# Altium PCB IT_Asset_Tracking_Rack_Controller-H743.PcbDoc (part 1 of 4) (continued)
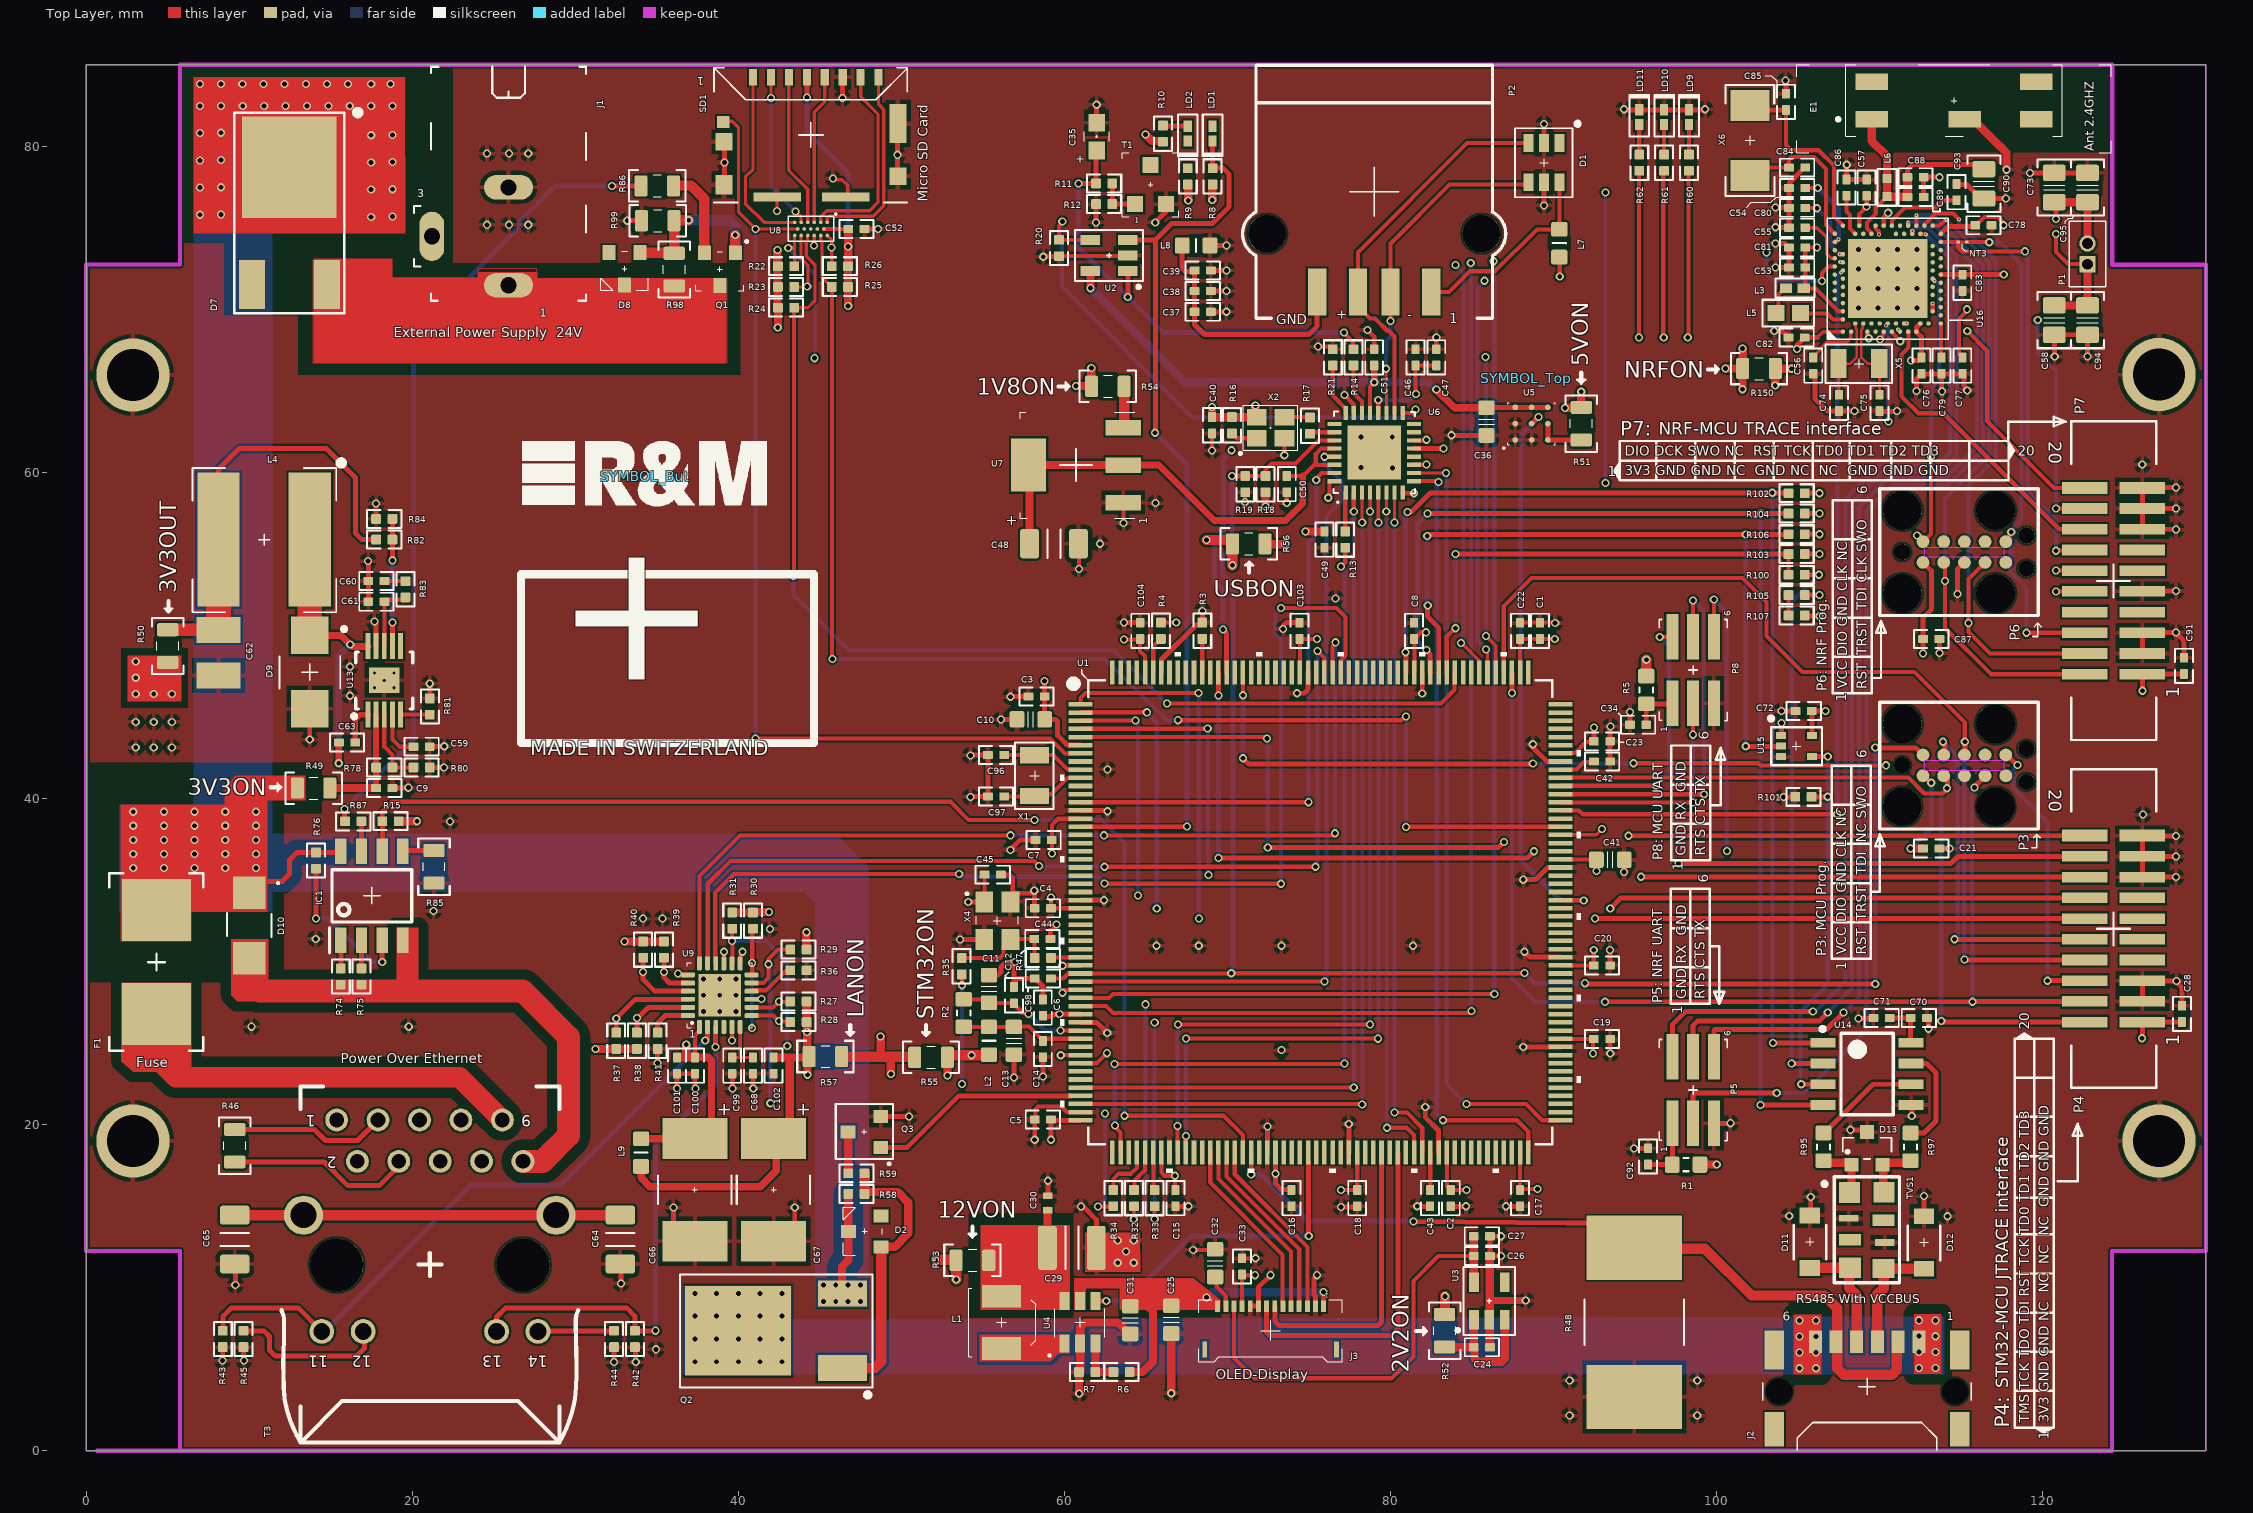
[diagram p0: Top Layer view]
## Components (designator, comment, footprint, x,y, rotation, side; value= is the part's Value field where it differs from the comment) (continued)
R38 "49R9" "Resistor 0402 EIA" 33.782,25.146 r90 top
R39 "49R9" "Resistor 0402 EIA" 35.433,30.734 r270 top
R40 "49R9" "Resistor 0402 EIA" 34.163,30.734 r270 top
R41 "12K1" "Resistor 0402 EIA" 35.052,25.146 r270 top
R42 "10K" "Resistor 0402 EIA" 33.655,6.858 r270 top
R43 "10K" "Resistor 0402 EIA" 8.382,6.858 r270 top
R44 "330R" "Resistor 0402 EIA" 32.378,6.858 r270 top
R45 "330R" "Resistor 0402 EIA" 9.652,6.858 r270 top
R46 "0R" "RESISTOR 0805 EIA" 9.117,18.707 r90 top
R47 "51R" "Resistor 0402 EIA" 58.674,30.226 r180 top
R48 "0R1" "RESISTOR 4527" 94.945,7.874 r270 top
R49 "DNP" "RESISTOR 0805 EIA" 13.954,40.64 r0 top
R50 "DNP" "RESISTOR 0805 EIA" 5.004,49.352 r90 top
R51 "DNP" "RESISTOR 0805 EIA" 91.694,62.992 r270 top
R52 "DNP" "RESISTOR 0805 EIA" 83.312,7.366 r270 top
R53 "DNP" "RESISTOR 0805 EIA" 54.356,11.684 r0 top
R54 "DNP" "RESISTOR 0805 EIA" 62.662,65.278 r0 top
R55 "DNP" "RESISTOR 0805 EIA" 51.816,24.13 r0 top
R56 "DNP" "RESISTOR 0805 EIA" 71.298,55.618 r0 top
R57 "DNP" "RESISTOR 0805 EIA" 45.339,24.181 r180 top
R58 "1M" "Resistor 0402 EIA" 47.244,15.748 r0 top
R59 "100K" "Resistor 0402 EIA" 47.244,17.018 r180 top
R60 "1.2KOhm" "Resistor 0402 EIA" 98.298,78.994 r270 top value=1.2K
R61 "1.2KOhm" "Resistor 0402 EIA" 96.774,78.994 r270 top value=1.2K
R62 "1.2KOhm" "Resistor 0402 EIA" 95.25,78.994 r270 top value=1.2K
R74 "95K3" "Resistor 0402 EIA" 15.621,29.083 r270 top
R75 "357R" "Resistor 0402 EIA" 16.891,29.083 r270 top
R76 "24K9" "Resistor 0402 EIA" 14.097,36.195 r270 top
R78 "105K" "Resistor 0402 EIA" 18.288,41.91 r0 top
R80 "7K15" "Resistor 0402 EIA" 20.574,41.91 r0 top
R81 "249K" "Resistor 0402 EIA" 21.082,45.644 r90 top
R82 "31.6K" "Resistor 0402 EIA" 18.288,55.88 r0 top
R83 "33.2K" "Resistor 0402 EIA" 19.583,52.832 r90 top
R84 "10K" "Resistor 0402 EIA" 18.288,57.15 r180 top
R85 "0R" "RESISTOR 0805 EIA" 21.336,35.814 r270 top
R86 "0R" "RESISTOR 0805 EIA" 35.027,77.572 r180 top
R87 "1K" "Resistor 0402 EIA" 16.383,38.602 r0 top
R95 "10R" "Resistor 0603 EIA" 106.553,18.644 r90 top
R97 "10R" "Resistor 0603 EIA" 111.887,18.644 r90 top
R98 "1M" "RESISTOR 0805 EIA" 36.068,72.441 r90 top
R99 "100K" "RESISTOR 0805 EIA" 35.052,75.438 r180 top
R100 "0R" "Resistor 0402 EIA" 104.902,53.721 r180 top
R101 "10K" "Resistor 0402 EIA" 105.316,40.107 r180 top
R102 "10K" "Resistor 0402 EIA" 104.902,58.725 r180 top
R103 "10K" "Resistor 0402 EIA" 104.902,54.991 r180 top
R104 "10K" "Resistor 0402 EIA" 104.902,57.48 r180 top
R105 "10K" "Resistor 0402 EIA" 104.902,52.476 r180 top
R106 "10K" "Resistor 0402 EIA" 104.902,56.21 r180 top
R107 "0R" "Resistor 0402 EIA" 104.902,51.232 r180 top
R150 "DNP" "RESISTOR 0805 EIA" 102.591,66.37 r0 top
SD1 "1051620001" SD-105162-001 44.45,80.696 r180 top
SYMBOL_But "Reichle & De-Massari Logo" SYMBOL_R&M 34.29,59.766 r0 top value=Overlay
SYMBOL_Top "Reichle & De-Massari Logo" SYMBOL_R&M 88.328,65.786 r180 top value=Overlay
T1 "DSC2501R0L" SOT-23/TO-236AA 65.278,77.656 r270 top
T3 "POE_7499211121A" POE_7499211121A 21.082,11.43 r180 top
TVS1 "TBU-CA065-200-WH" BOURNS_TBU_PL060_WH 107.502,16.499 r270 top value=TBU-PL060-200-WH
U1 "STM32H743BIT6" LQFP208_STM32H743BITX 75.692,33.02 r0 top
U2 "STMPS2151STR" SOT23-5L 62.738,73.304 r180 top
U3 "TPS7A0522PDBVT" SOT23-5L 86.055,9.195 r90 top
U4 "TLV61046ADBVT" SOT-23-6 60.96,7.874 r90 top
U5 "TPS81256SIPR" BGASIP0009A 88.646,62.992 r180 top
U6 "USB3320C-EZK-TR" QFN32_0R5_5X5 78.994,61.214 r90 top
U7 "LD1117S18TR" SOT-223 60.706,60.452 r180 top
U8 "EMI-Filter" WFBGA-17-Balls 44.45,74.93 r270 top
U9 "LAN8742A-CZ-TR" VQFN24-EPAD_4X4 38.862,27.94 r90 top
U13 "TPS54260DGQR" TPS54260_S-PDSO-G10 18.288,47.244 r90 top
U14 "RS-485 Transceiver" "TI_D (R-PDSO-G8)_8_R" 109.22,23.114 r0 top
U15 "IC BUF NON-INVERT" SOT353 103.942,43.87 r0 top
U16 "NRF52840-QIAA-R" AQFN50P700X700X85_HS-74N 110.49,71.882 r90 top
X1 "NX3215SA-32.768K-STD-MUA-9" NX3215SA 58.166,41.402 r270 top
X2 "NX2520SD-24MHZ-EXS00A-CS06352" NX2520SD-24MHZ-EX 72.644,62.738 r0 top
X4 "ECS-250-10-33B-CKM-TR / 25MHZ 10PF" ECS-33B 55.88,32.512 r270 top
X5 "NX3215SA-32.768K-STD-MUA-9" NX3215SA 108.712,66.675 r0 top
X6 "ABM3-32.000MHZ-D2Y-T" XTAL500X320X130N 102.032,80.366 r90 top

## Footprints (in the part's own frame and the unit in brackets; to place one, negate y for a bottom-side part, rotate by r counter-clockwise, add the part's x,y. Pads: shape width x height; smd on the part's side, far side on the other; paste and mask are expansions set on the pad)
293D106X9010A2TE3 [mm] "CAP_TANT_1206"
  rect 2.5x4 smd: 1(-3.15,0) 2(3.15,0)
  silkscreen extent -0.86,-2.26 0.86,2.24, body extent -3.72,-2.22 3.47,2.2, height 2.88
AQFN50P700X700X85_HS-74N [mm] "nRF52840"
  rect 4.85x4.85 smd mask+0.05: 74(0,0)
  round 0.275 smd paste+0.012 mask+0.05: A8(-1.25,3.25) A10(-0.75,3.25) A12(-0.25,3.25) A14(0.25,3.25) A16(0.75,3.25) A18(1.25,3.25) A20(1.75,3.25) A22(2.25,3.25) A23(2.75,3.25) AA24(3.25,-2.25) AB2(-2.75,-2.5) AC5(-2,-2.75) AC9(-1,-2.75) AC11(-0.5,-2.75) AC13(0,-2.75) AC15(0.5,-2.75) AC17(1,-2.75) AC19(1.5,-2.75) AC21(2,-2.75) AC24(3.25,-2.75) AD2(-2.75,-3.25) AD4(-2.25,-3.25) AD6(-1.75,-3.25) AD8(-1.25,-3.25) AD10(-0.75,-3.25) AD12(-0.25,-3.25) AD14(0.25,-3.25) AD16(0.75,-3.25) AD18(1.25,-3.25) AD20(1.75,-3.25) AD22(2.25,-3.25) AD23(2.75,-3.25) B1(-3.25,2.75) B3(-2.5,2.75) B5(-2,2.75) B7(-1.5,2.75) B9(-1,2.75) B11(-0.5,2.75) B13(0,2.75) B15(0.5,2.75) B17(1,2.75) B19(1.5,2.75) B24(3.25,2.75) C1(-3.25,2.25) D2(-2.75,2) D23(2.75,2) E24(3.25,1.75) F2(-2.75,1.5) F23(2.75,1.5) G1(-3.25,1.25) H2(-2.75,1) H23(2.75,1) J1(-3.25,0.75) J24(3.25,0.75) K2(-2.75,0.5) L1(-3.25,0.25) L24(3.25,0.25) M2(-2.75,0) N1(-3.25,-0.25) N24(3.25,-0.25) P2(-2.75,-0.5) P23(2.75,-0.5) R1(-3.25,-0.75) R24(3.25,-0.75) T2(-2.75,-1) T23(2.75,-1) U1(-3.25,-1.25) U24(3.25,-1.25) V23(2.75,-1.5) W1(-3.25,-1.75) W24(3.25,-1.75) Y2(-2.75,-2) Y23(2.75,-2)
  silkscreen extent -3.71,-3.71 3.71,3.71, body extent -3.55,-3.55 3.55,3.55, height 0.85
BGASIP0009A [mm] "9 Pin µSIP-Package (TPS81256)"
  round 0.35 smd: A1(0.999,1) A2(0.999,0) A3(0.999,-1) B1(-0.001,1) B2(0,0) B3(-0.001,-1) C1(-1.001,1) C2(-1.001,0) C3(-1.001,-1)
  Multi-Layer pour cut-out: 0.351,2.77
  silkscreen extent -1.46,-1.29 1.71,1.51, body extent -1.47,-1.3 1.47,1.3, height 1
BOUR-SOT23-3_V [mm] "SOT23, 3-Leads, Body 2.9x1.3mm, Pitch 0.95mm"
  rect 0.85x0.85 smd: 1(-1,0.95) 2(-1,-0.95) 3(1,0)
  silkscreen extent -0.65,-1.5 0.65,1.5, body extent -0.65,-1.45 0.65,1.45, height 1.17
BOURNS_TBU_PL060_WH [mm] "TBU-PL060-200-WH"
  rect 1.3x1.275 smd: 1(0.65,0.637)
  rect 0.4x1.2 smd: 2(2.25,0.6) 6(3.725,2.8)
  rect 0.7x1.35 smd: 3(3.55,0.675) 7(2.35,2.725)
  rect 1.25x1.335 smd: 4(5.275,0.667)
  rect 1.15x1.335 smd: 5(5.325,2.732)
  rect 1.275x1.275 smd: 8(0.638,2.762)
  Multi-Layer region: 3.774,-0.042
  silkscreen extent -0.3,-1.01 6.19,3.7, body extent -0.3,-0.31 6.2,3.67, height 1
"CAP-0402[1005] - RFL" [mm] "SMD Chip 0402 - CAP - RFL"
  rect 0.4x0.6 smd: 1(-0.45,0) 2(0.45,0)
  body extent -0.5,-0.25 0.5,0.25, height 0.5
"CAP-1210[3225] - RFL" [mm] "SMD Chip 1210  - CAP - RFL"
  rect 1.6x2.7 smd: 1(-1.4,0) 2(1.4,0)
  body extent -1.6,-1.25 1.6,1.25, height 0.84
CAPC1608X90 [mm] "TACL475K006XTA"
  rect 1.1x1 smd: 1(-0.85,0) 2(0.85,0)
  silkscreen extent -0.3,-0.77 0.3,0.77
"CERAMIC CAPACITOR 0402 EIA" [mm]
  round 0.2 on Mech15: 0(0,0)
  rrect20% 0.6x0.5 smd: 1(-0.5,0) 2(0.5,0)
  Top Layer pour cut-out: -0.325,0.375 -0.2,0.5 0.2,0.5 0.325,0.375 0.325,-0.375 0.2,-0.5 -0.2,-0.5 -0.325,-0.375
  silkscreen extent -1.05,-0.55 1.05,0.55, body extent -0.52,-0.27 0.53,0.28, height 0.55
"CERAMIC CAPACITOR 0603 EIA" [mm]
  round 0.254 on Mech15: 0(0,0)
  rrect25% 0.9x1 smd: 1(-0.85,0) 2(0.85,0)
  Top Layer pour cut-out: -0.6,0.5 -0.4,0.7 0.4,0.7 0.6,0.5 0.6,-0.5 0.4,-0.7 -0.4,-0.7 -0.6,-0.5
  silkscreen extent -0.15,-0.48 0.15,0.48, body extent -0.85,-0.45 0.85,0.45, height 0.89
"CERAMIC CAPACITOR 0805 EIA" [mm]
  round 0.254 on Mech15: 0(0,0)
  rrect25% 1x1.4 smd: 1(-0.9,0) 2(0.9,0)
  Top Layer pour cut-out: -0.675,0.7 -0.475,0.9 0.475,0.9 0.675,0.7 0.675,-0.7 0.475,-0.9 -0.475,-0.9 -0.675,-0.7
  silkscreen extent -1.73,-1.02 1.73,1.02, body extent -1.1,-0.72 1.1,0.73, height 1.34
"Ceramic Capacitor 1206 - Tantal" [mm] "293D106X9010A2TE3"
  round 0.508 on Mech15: 0(0,0)
  rrect25% 1.15x1.8 smd: 1(-1.5,0) 2(1.5,0)
  silkscreen extent -0.4,-0.88 0.4,0.88, body extent -1.7,-0.9 1.7,0.9, height 1
"Ceramic Capacitor 1206 EIA" [mm]
  round 0.508 on Mech15: 0(0,0)
  rrect25% 1.15x1.8 smd: 1(-1.5,0) 2(1.5,0)
  silkscreen extent -0.4,-0.88 0.4,0.88, body extent -1.7,-0.9 1.7,0.9, height 1
"Ceramic Capacitor 1210 EIA" [mm]
  round 0.508 on Mech15: 0(0,0)
  rrect25% 1.15x2.7 smd: 1(-1.5,0) 2(1.5,0)
  silkscreen extent -0.4,-1.3 0.4,1.3, body extent -1.8,-1.4 1.8,1.4, height 2.19
CNC_TECH_CONN_HEADER_2X10 [mm] "3220-20-0300-00-TR"
  rect 0.65x2.77 smd mask+0.051: 1(-5.715,-1.765) 2(-5.715,1.765) 3(-4.445,-1.765) 4(-4.445,1.765) 5(-3.175,-1.765) 6(-3.175,1.765) 7(-1.905,-1.765) 8(-1.905,1.765) 9(-0.635,-1.765) 10(-0.635,1.765) 11(0.635,-1.765) 12(0.635,1.765) 13(1.905,-1.765) 14(1.905,1.765) 15(3.175,-1.765) 16(3.175,1.765) 17(4.445,-1.765) 18(4.445,1.765)
  rect 0.737x2.794 smd mask+0.051: 19(5.715,-1.765) 20(5.715,1.765)
  silkscreen extent -9.75,-2.62 9.8,2.58, body extent -9.52,-3.05 9.52,3.05, height 4.84
CONN-SEGGER-10-PIN [mil] "J-Link 10-pin Needle Adapter"
  round 31 smd: 1(-99.61,-25) 2(-49.61,-25) 3(0.39,-25) 4(50.39,-25) 5(100.39,-25) 6(100.39,25) 7(50.39,25) 8(0.39,25) 9(-49.61,25) 10(-99.61,25)
  round 93.5 hole 93.5 unplated: None(-149.61,-100) None(-149.61,100) None(75.39,-100) None(75.39,100)
  round 39 hole 39 unplated: None(-149.61,0) None(150.39,-39.96) None(150.39,39.96)
  Top Layer keep-out region: -95.47,11.81 95.47,11.81 95.47,-12.8 -95.47,-12.8
  silkscreen extent -204,-154 179,153
CONN_2X01_HARWIN [mm] "Connector Header, vertical, 2 Pos, Pitch 1.27mm"
  rect 1x1 hole 0.65: 1(-0.635,0)
  round 1 hole 0.65: 2(0.635,0)
  silkscreen extent -2.02,-1.11 1.99,1.12, body extent -1.96,-1.05 1.94,1.05, height 5.65
CONN_RCPT_USB_TYPE_A [mm] "87583-3010RPLF Amphenol  4Pin SMD"
  rect 1.12x2.88 smd: 1(3.5,-6.16) 2(1,-6.16) 3(-1,-6.16) 4(-3.5,-6.16)
  round 2.3 hole 2.3: 5(6.57,-2.58) 6(-6.57,-2.58)
  Multi-Layer region: -0.674,-3.318
  silkscreen extent -8.07,-7.76 8.07,7.76, body extent -7.25,-7.24 7.25,7.64, height 7.33
CUI_PJ-102AH [mm]
  oval 1.508x3.016 hole 1: 1(-6.5,0) 2(-0.5,0)
  oval 3.016x1.508 hole 1: 3(-3.5,4.7)
  silkscreen extent -7.45,-4.75 6.9,5.8, body extent -7.5,-4.65 6.9,4.75, height 11.01
DPAK_FQU17P06 [mm] "MOSFET P-CH 60V 12A DPAK"
  rect 3x1.6 smd: 1(3.2,-2.285) 3(3.2,2.285)
  rect 6.5x5.5 smd: 4(-3.2,0)
  silkscreen extent -6.76,-3.98 5.05,3.45, body extent -5.35,-3.27 4.53,3.27, height 2.6
DPAK_MBRD5H [mm] "only pin 3 and 4 connected"
  rect 3x1.6 smd: 1(3.828,-2.285) 3(3.828,2.285)
  rect 6.2x5.8 smd: 4(-3.352,0)
  silkscreen extent -6.81,-3.38 5.61,4.29, body extent -5.37,-3.27 4.5,3.27, height 2.6
ECS-33B [mm] "SMD Crystal, SMD; Body 3.2 x 2.5 mm (LxW max)"
  rect 1.3x1.1 smd: 1(-1.15,-0.8) 2(1.15,-0.8) 3(1.15,0.8) 4(-1.15,0.8)
  Multi-Layer pour cut-out: -1.88,1.37
  silkscreen extent -1.67,-1.88 0.25,1.3, body extent -1.6,-1.25 1.6,1.25, height 0.81
"ERNI_214013 RANDMONTAGE_6_R" [mm] "ERNI_214013 Randmontage_6_R"
  rect 1.2x2.4 smd: 0(-5.685,-2.25) 0(5.685,-2.25)
  rect 1.2x2.12 smd: 0(-5.685,2.61) 0(5.685,2.61)
  round 0 hole 1.6 unplated paste+0 mask+0.102: 0(-5.385,0.3)
  round 0 hole 1.6 unplated: 0(5.385,0.3)
  rect 0.8x1.4 smd: 1(-3.175,-2.75) 2(-1.905,-2.75) 3(-0.635,-2.75) 4(0.635,-2.75) 5(1.905,-2.75) 6(3.175,-2.75)
  silkscreen extent -6.4,-0.5 6.41,3.91, body extent -6.35,-3.31 6.35,3.89, height 2.96
FDSD0420 [mm] "FIXED IND 10UH 1.7A 200 MOHM SMD"
  rect 1.4x2.4 smd: 1(-1.6,0) 2(1.6,0)
  silkscreen extent -2.1,-2 2.1,2.1, body extent -2.1,-2 2.1,2.1, height 2
INDC1005X55N [mm]
  rect 0.75x0.6 smd: 1(-0.55,0) 2(0.55,0)
  silkscreen extent -1.19,-0.58 1.19,0.58, body extent -0.5,-0.25 0.5,0.25, height 0.55
INDC1608X100N [mm]
  rect 1.05x1 smd: 1(-0.75,0) 2(0.75,0)
  silkscreen extent -1.57,-0.81 1.57,0.81, body extent -0.8,-0.4 0.8,0.4, height 1
"Inductor 0603 EIA" [mm]
  round 0.254 on Mech15: 0(0,0)
  rrect25% 0.9x1 smd: 1(-0.85,0) 2(0.85,0)
  Top Layer pour cut-out: -0.6,0.5 -0.4,0.7 0.4,0.7 0.6,0.5 0.6,-0.5 0.4,-0.7 -0.4,-0.7 -0.6,-0.5
  silkscreen extent 0,-0.4 0,0.4, body extent -0.87,-0.47 0.88,0.48, height 0.54
LED_APHHS1005CGCK [mm] "LED_CHIP_0402"
  rect 0.7x0.5 smd: 1(-0.45,0) 2(0.45,0)
  silkscreen extent -1.42,-0.6 1.17,0.67, body extent -0.5,-0.3 0.5,0.3, height 0.2
Littlefuse_Holder [mm] "SMD  Fuse Board 375mA 125VAC/VDC"
  rect 3.81x4.24 smd: 1(-3.19,0) 2(3.19,0)
  silkscreen extent -5.45,-2.86 5.45,2.88, body extent -4.86,-2.52 4.87,2.51, height 3.81
LQFP208_STM32H743BITX [mil]
  rect 58x11 smd: 1(-579.5,501.97) 2(-579.5,482.28) 3(-579.5,462.6) 4(-579.5,442.91) 5(-579.5,423.23) 6(-579.5,403.54) 7(-579.5,383.86) 8(-579.5,364.17) 9(-579.5,344.49) 10(-579.5,324.8) 11(-579.5,305.12) 12(-579.5,285.43) 13(-579.5,265.75) 14(-579.5,246.06) 15(-579.5,226.38) 16(-579.5,206.69) 17(-579.5,187.01) 18(-579.5,167.32) 19(-579.5,147.64) 20(-579.5,127.95) 21(-579.5,108.27) 22(-579.5,88.58) 23(-579.5,68.9) 24(-579.5,49.21) 25(-579.5,29.53) 26(-579.5,9.84) 27(-579.5,-9.84) 28(-579.5,-29.53) 29(-579.5,-49.21) 30(-579.5,-68.9) 31(-579.5,-88.58) 32(-579.5,-108.27) 33(-579.5,-127.95) 34(-579.5,-147.64) 35(-579.5,-167.32) 36(-579.5,-187.01) 37(-579.5,-206.69) 38(-579.5,-226.38) 39(-579.5,-246.06) 40(-579.5,-265.75) 41(-579.5,-285.43) 42(-579.5,-305.12) 43(-579.5,-324.8) 44(-579.5,-344.49) 45(-579.5,-364.17) 46(-579.5,-383.86) 47(-579.5,-403.54) 48(-579.5,-423.23) 49(-579.5,-442.91) 50(-579.5,-462.6) 51(-579.5,-482.28) 52(-579.5,-501.97) 105(579.5,-501.97) 106(579.5,-482.28) 107(579.5,-462.6) 108(579.5,-442.91) 109(579.5,-423.23) 110(579.5,-403.54) 111(579.5,-383.86) 112(579.5,-364.17) 113(579.5,-344.49) 114(579.5,-324.8) 115(579.5,-305.12) 116(579.5,-285.43) 117(579.5,-265.75) 118(579.5,-246.06) 119(579.5,-226.38) 120(579.5,-206.69) 121(579.5,-187.01) 122(579.5,-167.32) 123(579.5,-147.64) 124(579.5,-127.95) 125(579.5,-108.27) 126(579.5,-88.58) 127(579.5,-68.9) 128(579.5,-49.21) 129(579.5,-29.53) 130(579.5,-9.84) 131(579.5,9.84) 132(579.5,29.53) 133(579.5,49.21) 134(579.5,68.9) 135(579.5,88.58) 136(579.5,108.27) 137(579.5,127.95) 138(579.5,147.64) 139(579.5,167.32) 140(579.5,187.01) 141(579.5,206.69) 142(579.5,226.38) 143(579.5,246.06) 144(579.5,265.75) 145(579.5,285.43) 146(579.5,305.12) 147(579.5,324.8) 148(579.5,344.49) 149(579.5,364.17) 150(579.5,383.86) 151(579.5,403.54) 152(579.5,423.23) 153(579.5,442.91) 154(579.5,462.6) 155(579.5,482.28) 156(579.5,501.97)
  rect 11x58 smd: 53(-501.97,-579.5) 54(-482.28,-579.5) 55(-462.6,-579.5) 56(-442.91,-579.5) 57(-423.23,-579.5) 58(-403.54,-579.5) 59(-383.86,-579.5) 60(-364.17,-579.5) 61(-344.49,-579.5) 62(-324.8,-579.5) 63(-305.12,-579.5) 64(-285.43,-579.5) 65(-265.75,-579.5) 66(-246.06,-579.5) 67(-226.38,-579.5) 68(-206.69,-579.5) 69(-187.01,-579.5) 70(-167.32,-579.5) 71(-147.64,-579.5) 72(-127.95,-579.5) 73(-108.27,-579.5) 74(-88.58,-579.5) 75(-68.9,-579.5) 76(-49.21,-579.5) 77(-29.53,-579.5) 78(-9.84,-579.5) 79(9.84,-579.5) 80(29.53,-579.5) 81(49.21,-579.5) 82(68.9,-579.5) 83(88.58,-579.5) 84(108.27,-579.5) 85(127.95,-579.5) 86(147.64,-579.5) 87(167.32,-579.5) 88(187.01,-579.5) 89(206.69,-579.5) 90(226.38,-579.5) 91(246.06,-579.5) 92(265.75,-579.5) 93(285.43,-579.5) 94(305.12,-579.5) 95(324.8,-579.5) 96(344.49,-579.5) 97(364.17,-579.5) 98(383.86,-579.5) 99(403.54,-579.5) 100(423.23,-579.5) 101(442.91,-579.5) 102(462.6,-579.5) 103(482.28,-579.5) 104(501.97,-579.5) 157(501.97,579.5) 158(482.28,579.5) 159(462.6,579.5) 160(442.91,579.5) 161(423.23,579.5) 162(403.54,579.5) 163(383.86,579.5) 164(364.17,579.5) 165(344.49,579.5) 166(324.8,579.5) 167(305.12,579.5) 168(285.43,579.5) 169(265.75,579.5) 170(246.06,579.5) 171(226.38,579.5) 172(206.69,579.5) 173(187.01,579.5) 174(167.32,579.5) 175(147.64,579.5) 176(127.95,579.5) 177(108.27,579.5) 178(88.58,579.5) 179(68.9,579.5) 180(49.21,579.5) 181(29.53,579.5) 182(9.84,579.5) 183(-9.84,579.5) 184(-29.53,579.5) 185(-49.21,579.5) 186(-68.9,579.5) 187(-88.58,579.5) 188(-108.27,579.5) 189(-127.95,579.5) 190(-147.64,579.5) 191(-167.32,579.5) 192(-187.01,579.5) 193(-206.69,579.5) 194(-226.38,579.5) 195(-246.06,579.5) 196(-265.75,579.5) 197(-285.43,579.5) 198(-305.12,579.5) 199(-324.8,579.5) 200(-344.49,579.5) 201(-364.17,579.5) 202(-383.86,579.5) 203(-403.54,579.5) 204(-423.23,579.5) 205(-442.91,579.5) 206(-462.6,579.5) 207(-482.28,579.5) 208(-501.97,579.5)
  silkscreen extent -628,-628 628,628, body extent -594,-594 595,595, height 63
LQG15HS3N3S02D [mm] "Murata Inductor"
  rect 0.55x0.55 smd: 1(-0.55,0) 2(0.55,0)
  silkscreen extent -1.12,-0.58 1.14,0.58, body extent -0.5,-0.25 0.5,0.25, height 0.55
MOLEX_5034801400 [mm] "CONN FPC 14POS 0.50MM Right Angle"
  rect 0.3x1 smd: 0(-4.04,-1.15) 0(4.04,-1.15)
  rect 0.3x0.7 smd: 1(3.25,1.5) 2(2.75,1.5) 3(2.25,1.5) 4(1.75,1.5) 5(1.25,1.5) 6(0.75,1.5) 7(0.25,1.5) 8(-0.25,1.5) 9(-0.75,1.5) 10(-1.25,1.5) 11(-1.75,1.5) 12(-2.25,1.5) 13(-2.75,1.5) 14(-3.25,1.5)
  silkscreen extent -4.4,-1.9 4.4,1.9, body extent -4.35,-1.85 4.35,1.75, height 1.89
NET_TIE [mil] "Allows to short two different types of nets"
  rect 8x8 smd: 1(-10,0) 2(10,0)
  Top Layer lines w8: 10,0 -10,0
NX2520SD-24MHZ-EX [mm] "SMD Crystal, SMD; Body 3.2 x 2.5 mm (LxW max)"
  rect 1.2x1 smd: 1(-0.85,-0.65) 2(0.85,-0.65) 3(0.85,0.65) 4(-0.85,0.65)
  Multi-Layer pour cut-out: -1.88,1.37
  silkscreen extent -1.88,-1.6 1.68,1.37, body extent -1.6,-1.3 1.6,1.2, height 0.81
NX3215SA [mm] "CRYSTAL NDK America 2-SMD, No Lead"
  rect 1x1.8 smd: 1(-1.25,0) 2(1.25,0)
  silkscreen extent -2.03,-1.19 2.03,1.17, body extent -1.6,-0.75 1.6,0.75, height 0.89
P0080S4BLRP [mm] "SOD-123FL_Package"
  rect 0.98x1.25 smd: 1(-1.61,0) 2(1.61,0)
  silkscreen extent -1.02,-1 1.09,1, body extent -1.83,-0.87 1.82,0.88, height 1.01
POE_7499211121A [mm] "1 Port RJ45 Magjac, Power over Ethernet"
  round 1.4 hole 0.9: 1(5.715,-8.86) 2(4.445,-6.32) 3(3.175,-8.86) 4(1.905,-6.32) 5(0.635,-8.86) 6(-0.635,-6.32) 7(-1.905,-8.86) 8(-3.175,-6.32) 9(-4.445,-8.86) 10(-5.715,-6.32)
  round 1.52 hole 1.02: 11(6.63,4.11) 12(4.09,4.11) 13(-4.09,4.11) 14(-6.63,4.11)
  round 2.4 hole 1.6: Shield(-7.745,-3.02) Shield(7.745,-3.02)
  round 3.25 hole 3.25 unplated: ""(-5.715,0.03) ""(5.715,0.03)
  silkscreen extent -9.1,-10.92 9.1,10.92, body extent -9.11,-10.92 9.11,10.92, height 15.79
QFN32_0R5_5X5 [mm] "USB  IC TRANSCEIVER"
  rect 0.86x0.26 smd: 1(-2.435,1.75) 2(-2.435,1.25) 3(-2.435,0.75) 4(-2.435,0.25) 5(-2.435,-0.25) 6(-2.435,-0.75) 7(-2.435,-1.25) 8(-2.435,-1.75) 17(2.435,-1.75) 18(2.435,-1.25) 19(2.435,-0.75) 20(2.435,-0.25) 21(2.435,0.25) 22(2.435,0.75) 23(2.435,1.25) 24(2.435,1.75)
  rect 0.26x0.86 smd: 9(-1.75,-2.435) 10(-1.25,-2.435) 11(-0.75,-2.435) 12(-0.25,-2.435) 13(0.25,-2.435) 14(0.75,-2.435) 15(1.25,-2.435) 16(1.75,-2.435) 25(1.75,2.435) 26(1.25,2.435) 27(0.75,2.435) 28(0.25,2.435) 29(-0.25,2.435) 30(-0.75,2.435) 31(-1.25,2.435) 32(-1.75,2.435)
  rect 3.3x3.3 smd: 33(0,0)
  silkscreen extent -3.1,-2.5 2.51,2.5, body extent -2.6,-2.6 2.6,2.6, height 0.8
"Resistor 0402 EIA" [mm]
  round 0.2 on Mech15: 0(0,0)
  rrect20% 0.6x0.6 smd: 1(-0.5,0) 2(0.5,0)
  Top Layer pour cut-out: -0.325,0.375 -0.2,0.5 0.2,0.5 0.325,0.375 0.325,-0.375 0.2,-0.5 -0.2,-0.5 -0.325,-0.375
  silkscreen extent -1.05,-0.55 1.05,0.55, body extent -0.52,-0.27 0.53,0.28, height 0.4
"Resistor 0603 EIA" [mm]
  round 0.254 on Mech15: 0(0,0)
  rrect25% 0.9x1 smd: 1(-0.85,0) 2(0.85,0)
  Top Layer pour cut-out: -0.6,0.5 -0.4,0.7 0.4,0.7 0.6,0.5 0.6,-0.5 0.4,-0.7 -0.4,-0.7 -0.6,-0.5
  silkscreen extent -0.15,-0.41 0.15,0.41, body extent -0.87,-0.47 0.88,0.48, height 0.54
"RESISTOR 0805 EIA" [mm]
  round 0.254 on Mech15: 0(0,0)
  rrect25% 0.8x1.3 smd: 1(-1,0) 2(1,0)
  Top Layer pour cut-out: -0.725,0.65 -0.525,0.85 0.525,0.85 0.725,0.65 0.725,-0.65 0.525,-0.85 -0.525,-0.85 -0.725,-0.65
  silkscreen extent -1.73,-0.97 1.73,0.97, body extent -1.1,-0.67 1.1,0.68, height 0.69
"RESISTOR 4527" [mm] "Current Meas Shunt Resistor"
  round 0.508 on Mech15: 0(0,0)
  round 0.508 on Mech13: 0(0,0)
  round 0.508 on Top Overlay: 0(0,0)
  rect 3.94x5.84 smd: 1(-4.575,0) 2(4.575,0)
  silkscreen extent -1.39,-3.05 1.39,3.05, body extent -5.78,-3.49 5.78,3.49, height 2.43
SAMTEC_FTS-103-02-F-DV_6_R [mil] "Samtec_FTS-103-02-F-DV_6_R"
  rect 29x110 smd mask+2: 1(-50,-80) 2(-50,80) 3(0,-80) 4(0,80) 5(50,-80) 6(50,80)
  silkscreen extent -82,-122 82,122, body extent -75,-115 75,115, height 125
SD-105162-001 [mm] "Molex microSD Card Con SMT Right Angle"
  rect 0.5x1 smd: 1(3.55,-3.531) 2(2.45,-3.531) 3(1.35,-3.531) 4(0.25,-3.531) 5(-0.85,-3.531) 6(-1.95,-3.531) 7(-3.05,-3.531) 8(-4.15,-3.531)
  rect 0.78x0.72 smd: 9(5.379,-0.801)
  rect 1.05x2.39 smd: 10(-5.34,-0.701)
  rect 1.05x1.1 smd: 10(-5.34,2.534)
  rect 2.91x0.55 smd: 10(-2.15,3.794) 10(2.075,3.794)
  rect 1.05x1.2 smd: 10(5.328,3.048)
  rect 1.05x1.05 smd: 10(5.328,0.419)
  silkscreen extent -5.92,-4.11 5.94,4.14, body extent -5.65,-3.81 5.65,3.79, height 1.38
SMA_SZ1SMA58AT3G [mm] "TVS - Diodes DO-214AC, SMA"
  rect 2x2 smd: 1(-2,0) 2(2,0)
  silkscreen extent -2.6,-1.36 0.7,1.77, body extent -2.6,-1.3 2.6,1.3, height 2.4
SMB [mm] "DO-214-AA/SMB; 2 C-Bend Leads; Body 5.3 x 3.6 mm, inc. leads (LxW)"
  rect 2.3x2.3 smd: 1(-2.25,0) 2(2.25,0)
  silkscreen extent -2.74,-1.85 1.03,2.21, body extent -2.65,-1.81 2.65,1.81, height 2.24
SOIC127P602X173-8N [mm]
  rect 1.55x0.7 smd: 1(-2.725,1.905) 2(-2.725,0.635) 3(-2.725,-0.635) 4(-2.725,-1.905) 5(2.725,-1.905) 6(2.725,-0.635) 7(2.725,0.635) 8(2.725,1.905)
  silkscreen extent -3.5,-2.44 1.6,2.61, body extent -3.01,-2.44 3.01,2.44, height 1.73
SOT23-5L [mm] "STMPS2151STR, TPS7A0522PDBVT"
  rect 1.2x0.6 smd: 1(-1.15,0.949) 2(-1.15,-0.001) 3(-1.15,-0.951) 4(1.15,-0.951) 5(1.15,0.949)
  silkscreen extent -2.09,-1.57 2.08,2.03, body extent -1.4,-1.45 1.4,1.45
SOT23-6L [mm] "ESDA6V1BC6"
  rect 1.1x0.6 smd: 1(-1.2,0.95) 2(-1.2,0) 3(-1.2,-0.95) 4(1.2,-0.95) 5(1.2,0) 6(1.2,0.95)
  silkscreen extent -2.51,-1.78 2.11,2.18, body extent -0.86,-1.51 0.87,1.52, height 1.25
SOT323_2N7002WT1G [mm] "N_MOSFET"
  rect 0.9x0.8 smd: 1(1,-0.95) 2(1,0.95) 3(-1,0)
  silkscreen extent -1.75,-1.96 1.75,1.7, body extent -1.33,-1.46 1.07,1.46, height 1.16
SOT353 [mm]
  rect 0.6x0.42 smd: 1(0,0) 2(0,-0.65) 3(0,-1.3) 4(1.9,-1.3) 5(1.9,0)
  silkscreen extent -0.73,-1.83 2.51,1.17, body extent -0.18,-1.78 2.08,0.48, height 1.09
SOT-23-6 [mm]
  rect 1.1x0.6 smd: 1(-1.3,0.95) 2(-1.3,0) 3(-1.3,-0.95) 4(1.3,-0.95) 5(1.3,0) 6(1.3,0.95)
  silkscreen extent -2.09,-1.5 0.85,1.94, body extent -1.23,-1.4 1.2,1.4, height 1.09
SOT-23/TO-236AA [mm] "TRANS NPN 20V 0.5A MINI3"
  rect 1x1 smd: 1(1.2,-0.95) 2(1.2,0.95) 3(-1.2,0)
  silkscreen extent -1.96,-1.73 1.98,1.73, body extent -1.29,-1.45 1.11,1.45, height 1.1
SOT-23_BZX84 [mm] "only pin 3 and 1connected"
  rect 0.9x0.8 smd: 1(1,-0.95) 2(1,0.95) 3(-1,0)
  silkscreen extent -1.33,-1.46 1.07,1.46, body extent -1.33,-1.46 1.07,1.46, height 1.16
SOT-23_NTR0202PLT1G [mm] "P_MOSFET"
  rect 0.9x0.8 smd: 1(1,-0.95) 2(1,0.95) 3(-1,0)
  silkscreen extent -1.33,-1.65 1.7,1.46, body extent -1.33,-1.46 1.07,1.46, height 1.16
SOT-223 [mm] "TO-261-4, TO-261AA"
  rect 2.15x0.95 smd: 1(-2.9,2.3) 2(-2.9,0) 3(-2.9,-2.3)
  rect 2.15x3.25 smd: 4(2.9,0)
  silkscreen extent -3.6,-3.25 3.4,3.25, body extent -3.6,-3.25 3.4,3.25, height 1.81
SRN80408R2Y [mm]
  rect 2.6x8.2 smd: 1(-2.8,0) 2(2.8,0)
  silkscreen extent -4.82,-4.8 4.39,4.45, body extent -4,-4 4,4.01, height 3.44
SYMBOL_R&M [mm] "Reichle & De-Massari printing"
  silkscreen extent -7.54,-1.8 7.47,2.13
"TI_D (R-PDSO-G8)_8_R" [mm] "TI_D (R-PDSO-G8)_8_R"
  rect 1.55x0.6 smd: 1(-2.7,1.905) 2(-2.7,0.635) 3(-2.7,-0.635) 4(-2.7,-1.905) 5(2.7,-1.905) 6(2.7,-0.635) 7(2.7,0.635) 8(2.7,1.905)
  silkscreen extent -2.85,-2.5 1.6,2.88, body extent -3,-2.45 3,2.45, height 1.63
TPS54260_S-PDSO-G10 [mm] "PSO Package  10-Pin"
  rect 1.6x0.3 smd paste-0.025 mask+0.07: 1(-2.1,1) 2(-2.1,0.5) 3(-2.1,0) 4(-2.1,-0.5) 5(-2.1,-1) 6(2.1,-1) 7(2.1,-0.5) 8(2.1,0) 9(2.1,0.5) 10(2.1,1)
  rect 1.57x1.88 smd: 9(0,0)
  silkscreen extent -2.32,-1.75 1.75,1.97, body extent -2.52,-1.55 2.53,1.55, height 1.7
VQFN24-EPAD_4X4 [mm] "Transceiver Ethernet 24-SQFN"
  rrect50% 0.85x0.3 smd mask+0.05: 1(-1.95,1.25) 2(-1.95,0.75) 3(-1.95,0.25) 4(-1.95,-0.25) 5(-1.95,-0.75) 6(-1.95,-1.25) 13(1.95,-1.25) 14(1.95,-0.75) 15(1.95,-0.25) 16(1.95,0.25) 17(1.95,0.75) 18(1.95,1.25)
  rrect50% 0.3x0.85 smd mask+0.05: 7(-1.25,-1.95) 8(-0.75,-1.95) 9(-0.25,-1.95) 10(0.25,-1.95) 11(0.75,-1.95) 12(1.25,-1.95) 19(1.25,1.95) 20(0.75,1.95) 21(0.25,1.95) 22(-0.25,1.95) 23(-0.75,1.95) 24(-1.25,1.95)
  rect 2.6x2.6 smd paste-10 mask+0.05: EP(0,0)
  silkscreen extent -2,-2 2,2, body extent -2.05,-2.05 2.05,2.05, height 1.1
WFBGA-17-Balls [mm] "EMIF06-HSD03F3, EMI/RFI-FILTER"
  round 0.22 smd: DET(0,-0.8) GND(0,0.4) GND(0,0) GND(0,-0.4) I1(0.4,1) I2(0.4,0.6) I3(0.4,0.2) I4(0.4,-0.2) I5(0.4,-0.6) I6(0.4,-1) O1(-0.4,1) O2(-0.4,0.6) O3(-0.4,0.2) O4(-0.4,-0.2) O5(-0.4,-0.6) O6(-0.4,-1) VCC(0,0.8)
  silkscreen extent -0.92,-1.4 0.76,1.53, body extent -0.55,-1.2 0.55,1.2, height 0.6
XCVR_A5839 [mm] "RF ANT 2.4GHZ Antenova"
  rect 2x1 smd: 1(-5.05,1.15) 2(-5.05,-1.15) 3(0.65,-1.15) 4(5.05,-1.15) 5(5.05,1.15)
  silkscreen extent -9.65,-3.2 9.65,2.2, body extent -6.65,-2.2 6.65,2.2, height 1.31
XTAL500X320X130N [mm]
  rect 1.9x2.4 smd: 1(-2.15,0) 2(2.15,0)
  silkscreen extent -3.4,-1.5 3.4,1.5, body extent -1.6,-0.75 1.6,0.75, height 0.91

## Part data
C1 C2 C3 C4 C5 C6 C7 C8 C12 C14 C15 C16 C17 C18 C19 C20 C22 C23 C40 C46 C49 C50 C51 C52 C103 C104: library part Cap_100nF_0402_10V, "0,1µF ±10% 10V Keramikkondensatoren X7R 0402 (1005 metrisch)", Dielectric Grade=X7R, Footprint/Package="0402 (1005 metric)", Manufacturer=Samsung, Manufacturer PartNr=CC0402KRX7R6BB104, Supplier Part Number 1=1276-1002-1-ND, Replaceable=yes, Supplier 1=Digi-Key, volatage=10VDC
C9: library part Cap_4.7uF_0402_10V, "4.7µF ±10% 10V Ceramic Capacitor X5R 0402 (1005 Metric)", Dielectric Grade=X5R, Footprint/Package="0402 (1005 metric)", Manufacturer PartNr=CL05A475KP5NRNC, Manufracturer="Samsung Electro-Mechanics", Supplier Part Number 1=1276-1480-1-ND, Tolerance=10%, voltage=10VDC, ComponentLink1Description=mouser, ComponentLink1URL=https://www.mouser.ch/ProductDetail/Murata-Electronics/GRM155R60J475ME47D?qs=sGAEpiMZZMs0AnBnWHyRQIE6q%2f4qwWvwbJmEUwav8%2f4%3d, Replaceable=yes, Supplier 1=Digi-Key